# KiCad board bugg-panel-r3.kicad_pcb (continued)
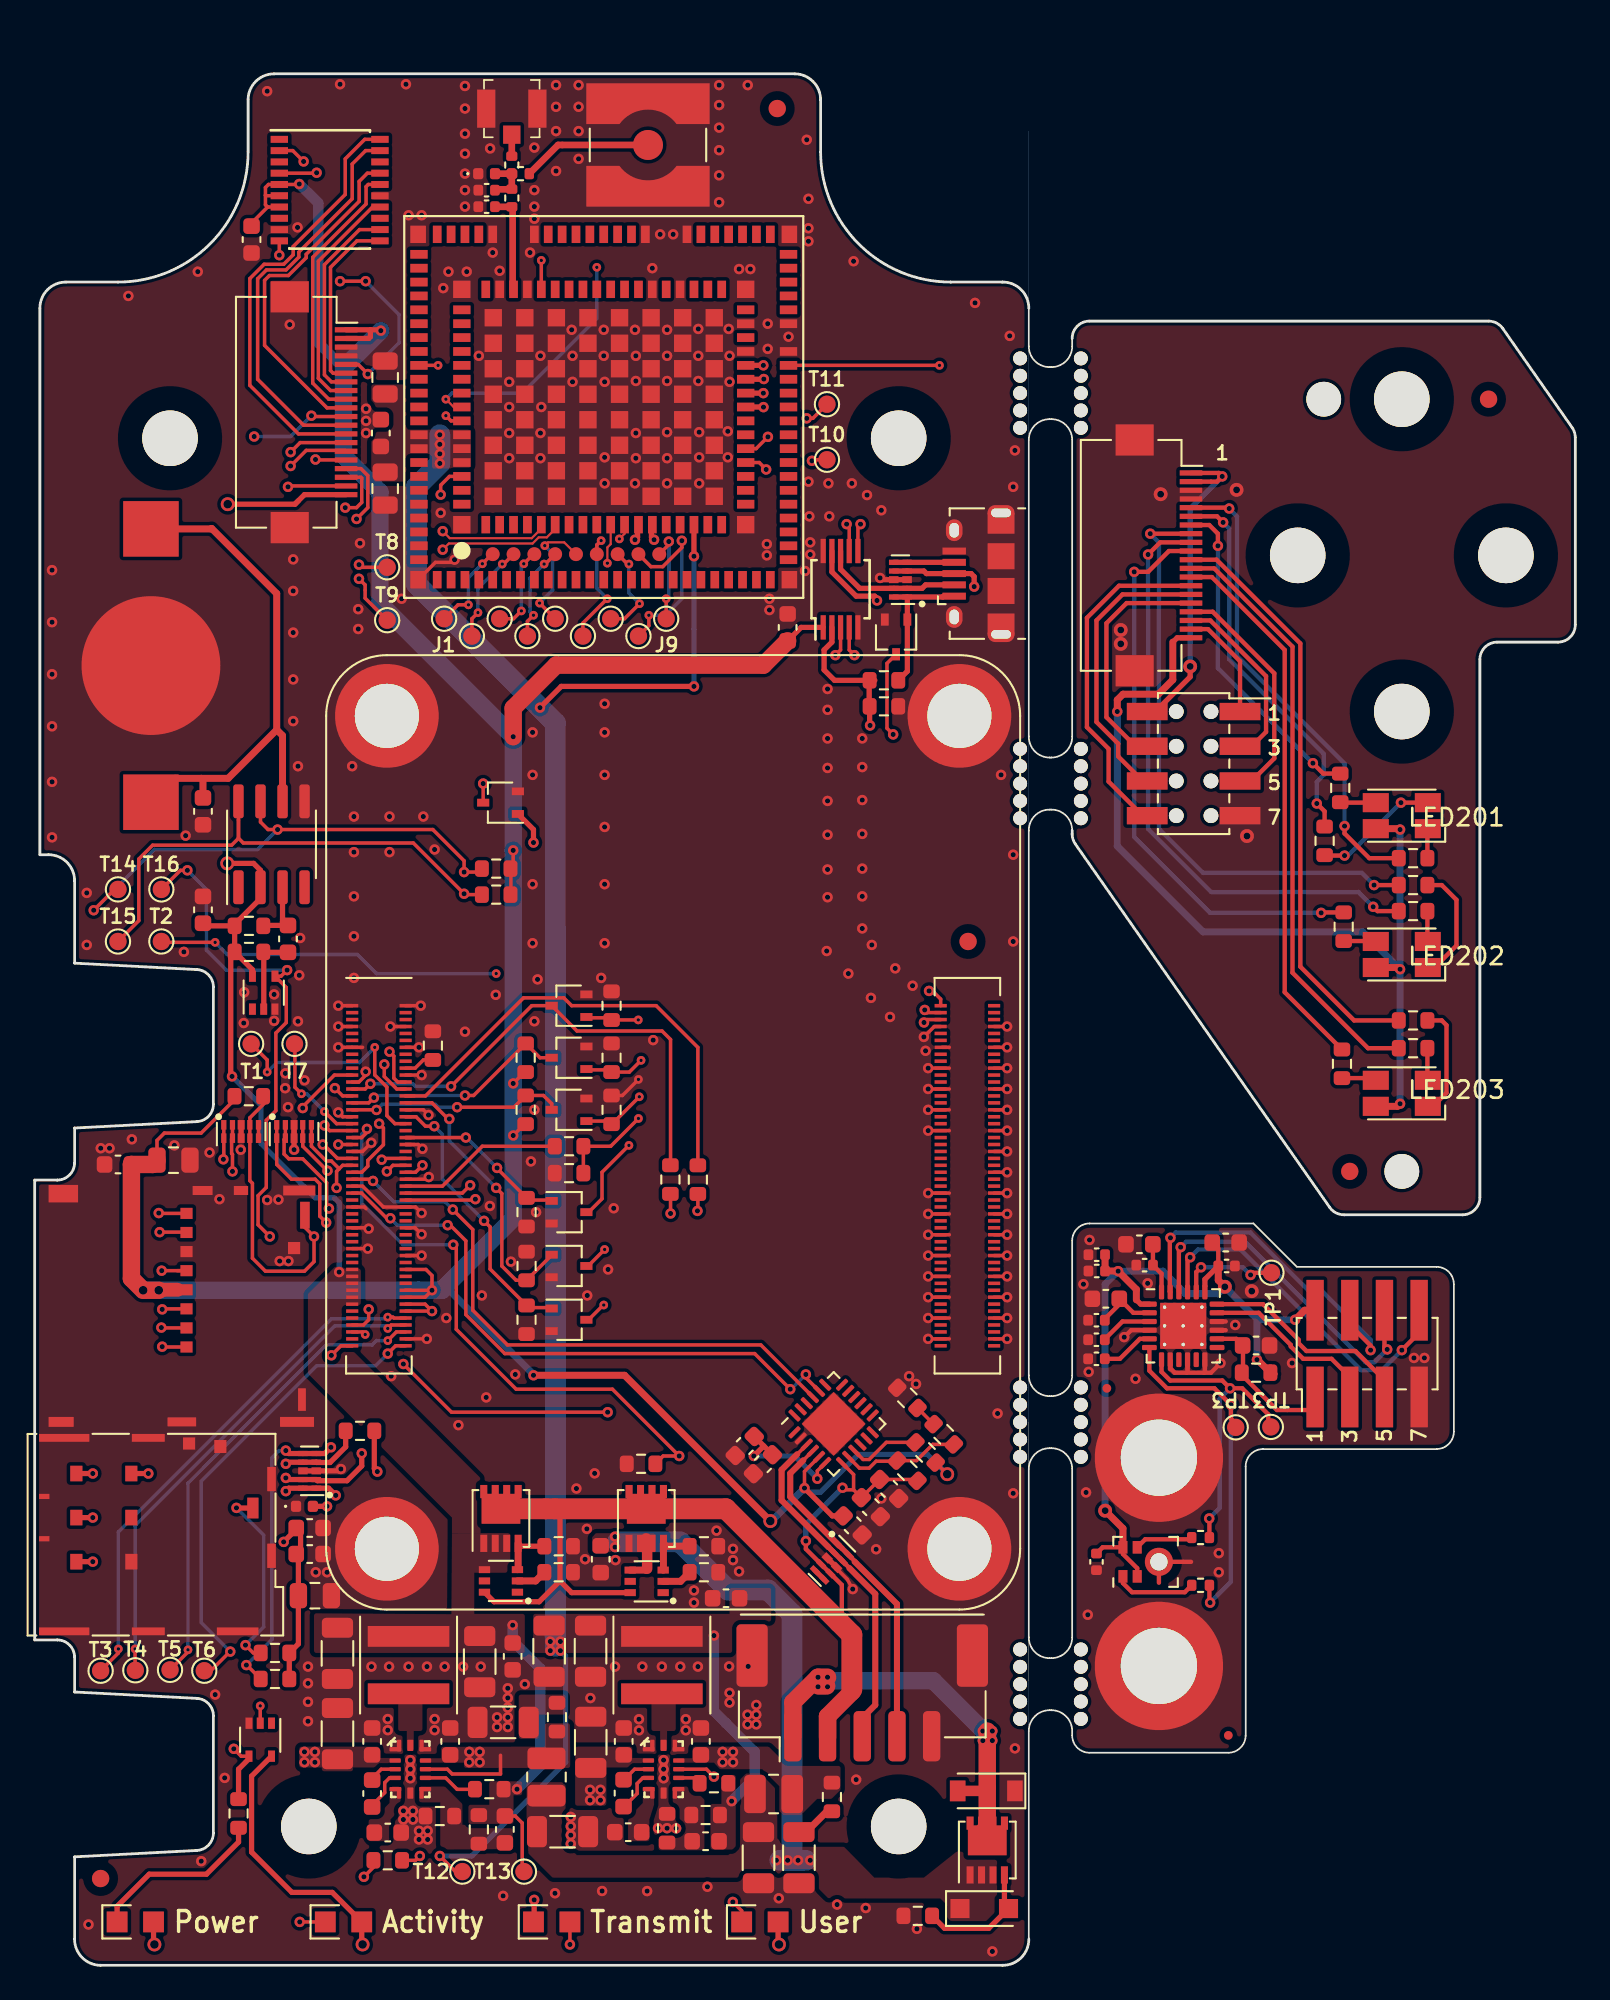
[diagram p0: board, top side]
## Routing (per net, layer and track width the routed paths; a pad name or vN(x,y) marks a point on that pad's centre or on a via; arc(x,y) is an arc through that point) (continued)
VBUS: length 59.8
  Top w0.2: 47.2,27.4 C40.1 48.7,28 C39.1 50.8,28 R25.1 ; 47.2,27.4 47.2,28.28 U12.7 ; 47.2,27.4 46.68,27.4 v1(46.56,27.52)
  Top w0.25: 46.37,19.77 46.52,19.92 46.52,21.92 U2.4 U2.4 44.45,23.99 v1(44.45,24.45)
  Top w0.3: 30.27,22.15 30.27,26.01 29.98,26.31 ; 30.27,22.15 29.08,20.95 26.48,20.95 U3.6 ; 30.27,22.15 30.95,21.48 U4.6
  Top w0.8: 29.45,26.31 29.43,26.28
  Top w1: 47.1,15.9 47.1,15.75 45.7,14.35 45.7,13.15
  Top w1.2: 47.1,15.9 47.1,19.04 39.84,26.31 Q2.5 Q1.5
  Bottom w0.3: v1(46.56,27.52) 44.45,25.41 v1(44.45,24.45)
/BCLK: length 85.2
  Top w0.2: J16.15 17.9,87.3 15.65,87.3 v1(14.75,86.4) ; v1(19.85,48.5) 20.1,48.25 20.1,47.29 19.2,46.39 19.2,46.05 18.85,45.7 Module1.49
  Top w0.25: U101.22 65.95,41.28 v1(66.05,41.38) ; v1(77.96,35.49) 77.8,35.65 J101.6 ; J202.15 62.7,79 61.2,77.5 61.2,71.65 62.45,70.4 62.45,69.67 63.87,68.25 J201.6
  In2.Cu w0.2: v1(19.85,48.5) 19.72,48.5 18.55,49.68 17.35,49.68 16.65,50.37 16.65,51.25 16.3,51.6 16.3,84.85 v1(14.75,86.4)
  Bottom w0.25: v1(77.96,35.49) 77.22,34.75 76.71,34.75 69.76,41.7 66.37,41.7 v1(66.05,41.38)
/BOOT_MODE: length 10.4
  Top w0.2: 21.88,47.7 Module1.40 v1(24.85,47.7) ; Q7.1 29.75,44.1 28.48,44.1 26.65,45.92 v1(26.65,45.95)
  Bottom w0.2: v1(26.65,45.95) 24.9,47.7 v1(24.85,47.7)
/FSYNC: length 76.6
  Top w0.2: v1(20.15,51.91) 20.15,51.22 20.87,50.5 Module1.26 ; J16.16 16.21,86.75 v1(16.18,86.78)
  Top w0.25: v1(77,35.45) 77,35.71 75.8,36.91 J101.4 ; J202.16 62.94,78.5 61.77,77.34 61.77,71.93 63.45,70.25 J201.4 ; U101.23 65.43,38.82 65.43,41.89 v1(65.46,41.92)
  In2.Cu w0.2: v1(16.18,86.78) 16.98,85.98 16.98,52.52 17.33,52.17 19.89,52.17 v1(20.15,51.91)
  Bottom w0.25: v1(77,35.45) 77,36.05 74.2,38.85 73.45,38.85 70.08,42.22 65.76,42.22 v1(65.46,41.92)
/GLOBAL_EN_o: length 39.5
  Top w0.2: v1(14.55,57.35) 14.2,57 U14.4 14.5,56.35 14.5,54.33 13.9,53.72 13.9,49.25 13.35,48.7 13.35,44.83 12.87,44.35 12.87,42.68 v1(13.55,42) ; v1(17.1,35.15) 17.65,35.7 Module1.99 17.75,35.7 ; v1(8.8,63.1) 8.4,63.1 T16.1
  In2.Cu w0.2: v1(17.1,35.15) 17.1,36.55 13.55,40.1 v1(13.55,42)
  Bottom w0.2: v1(14.55,57.35) 11.05,57.35 9.9,58.5 9.9,62 v1(8.8,63.1)
/LED1_B: length 19.1
  Top w0.25: R201.1 74.28,68.67 v1(73.67,69.28) ; J202.7 67.7,83 68.2,82.5 v1(68.2,81.8)
  Bottom w0.25: v1(68.2,81.8) 68.2,74.75 v1(73.67,69.28)
/LED1_G: length 22.3
  Top w0.25: v1(68.5,83.15) 68.15,83.5 J202.6 ; v1(73.9,66.95) 74.35,66.5 R204.1
  Bottom w0.25: v1(73.9,66.95) 73.9,68.2 74.3,68.6 74.3,69.81 68.85,75.26 68.85,82.8 v1(68.5,83.15)
/LED1_R: length 27.4
  Top w0.25: J202.5 68.8,84 v1(68.85,83.95) ; v1(75.5,65.65) 75.5,65.23 76.93,63.8 R207.1
  Bottom w0.25: v1(68.85,83.95) 69.3,83.5 69.3,75.45 75.5,69.25 v1(75.5,65.65)
/LED2_B: length 32.9
  Top w0.25: v1(63.37,80.3) 64.18,80.3 65.38,81.5 J202.10 ; v1(74.15,60.65) 74.17,60.67 75.45,60.67
  Bottom w0.25: v1(63.37,80.3) 63.37,65.03 67.75,60.65 v1(74.15,60.65)
/LED2_G: length 35
  Top w0.25: v1(64.17,81.3) 64.87,82 J202.9 ; R205.1 77.4,60.75 v1(77.15,61)
  Bottom w0.25: v1(64.17,81.3) 64.17,65.49 67.81,61.85 76.3,61.85 v1(77.15,61)
/LED2_R: length 34.7
  Top w0.25: R208.1 v1(77.2,62.25) ; v1(64.3,82.5) J202.8
  Bottom w0.25: v1(77.2,62.25) 76.5,62.95 67.35,62.95 64.8,65.5 64.8,82 v1(64.3,82.5)
/LED3_B: length 31.5
  Top w0.25: R203.1 72.05,56.08 72.05,75.8 67.85,80 J202.13
/LED3_G: length 34.4
  Top w0.25: J202.12 67.99,80.5 72.5,75.99 72.5,57.2 76.85,52.85 R206.1
/LED3_R: length 33.9
  Top w0.25: J202.11 68.12,81 72.95,76.17 72.95,57.55 76.05,54.45 R209.1
/LED driver, LED board connections/LED1_B: length 11.8
  Top w0.2: J16.7 17.1,91.25 16.7,91.65 16.7,98 18.73,100.03 U9.12
/LED driver, LED board connections/LED1_G: length 10.4
  Top w0.2: J16.6 17.2,91.75 17.05,91.9 17.05,97.85 18.58,99.38 U9.11
/LED driver, LED board connections/LED1_R: length 14.8
  Top w0.2: v1(17.6,97.05) v1(19.07,97.05) ; U9.10 v1(14.1,98.55) ; v1(19.2,91.7) 18.65,92.25 J16.5
  In2.Cu w0.2: v1(14.1,98.55) 15.6,97.05 v1(17.6,97.05)
  Bottom w0.2: v1(19.2,91.7) 21,93.5 21,95.12 v1(19.07,97.05)
/LED driver, LED board connections/LED2_B: length 19.9
  Top w0.2: J16.10 16.85,89.75 13.25,93.35 13.25,97.1 13.53,97.38 14.62,97.38 15.65,98.41 15.65,98.6 18.7,101.65 18.7,102.8 19.18,103.28 U9.17
/LED driver, LED board connections/LED2_G: length 15.8
  Top w0.2: U9.16 19.23,102.62 19.1,102.5 19.1,101.5 16.02,98.42 16.02,91.18 16.95,90.25 J16.9
/LED driver, LED board connections/LED2_R: length 13.5
  Top w0.2: J16.8 17.05,90.75 16.35,91.45 16.35,98.2 19.48,101.33 U9.14
/LED driver, LED board connections/LED3_B: length 25.2
  Top w0.2: U9.20 19.02,105.22 17.9,104.1 17.9,102.05 14.9,99.05 14.9,98.57 14.35,98.03 13.23,98.03 12.4,97.2 12.4,91.05 15.2,88.25 J16.13
/LED driver, LED board connections/LED3_G: length 23.4
  Top w0.2: J16.12 15.5,88.75 12.85,91.4 12.85,97.19 13.36,97.7 14.49,97.7 15.22,98.44 15.22,98.72 18.3,101.8 18.3,103.8 19.08,104.58 19.9,104.58
/Modem/RF_ANT: length 1.3
  Top w0.38: 27.5,104.25 27.5,105.44
  Top w0.4: 27.5,105.44 27.45,105.5
/Modem/RF_MAIN: length 5.7
  Top w0.38: 27.55,96.37 27.55,101.14 ; R20.2 26.54,101.34 C20.1
/Modem/RF_TEST: length 7.5
  Top w0.38: J11.1 30.16,104.9 R18.1
/Modem/UIM_CLK: length 79.5
  Top w0.3: v1(19.75,28.45) 19.58,28.62 19.58,30.8 ; 40.93,90.6 v1(42,90.6)
  In2.Cu w0.3: v1(42,90.6) 41.05,89.65 33.05,89.65 31.6,88.2 31.6,40.3 v1(19.75,28.45)
/Modem/UIM_CLK_R: length 17.9
  Top w0.3: v1(14.47,28.9) 14.57,28.99 U8.4 U8.4 16.25,28.98 17.02,28.98 17.93,29.88 R23.2 ; 2.39,28.34 3.35,28.34 v1(3.35,28.34)
  In2.Cu w0.3: v1(3.35,28.34) 4.31,27.38 9.63,27.38 11.15,28.9 v1(14.47,28.9)
/Modem/UIM_DATA: length 107.6
  Top w0.2: v1(12.2,17.3) 12.23,17.3 13.03,16.5
  Top w0.3: v1(42.03,91.41) 42.01,91.4 40.93,91.4 ; v1(14.47,29.66) 14.64,29.49 U8.5 U8.5 16.72,29.49 v1(17.08,29.85) ; 5.56,28.34 v1(6.55,28.34)
  In2.Cu w0.3: v1(42.03,91.41) 41.99,91.41 40.7,90.12 32.52,90.12 31.05,88.65 31.05,40.7 19,28.65 18.58,28.65 17.38,29.85 v1(17.08,29.85) ; v1(14.47,29.66) 11.06,29.66 9.74,28.34 v1(6.55,28.34)
  Bottom w0.2: v1(12.2,17.3) 13.68,18.77 13.68,29.25 14.09,29.66 v1(14.47,29.66)
/Modem/UIM_RESET_N: length 96.8
  Top w0.3: v1(18.85,29.5) 18.85,28.77 18,27.92 16.3,27.92 U8.2 U8.2 14.57,27.99 v1(14.47,28.09) ; v1(3.35,25.8) 3.35,25.8 2.39,25.8 ; 40.93,92.2 v1(42,92.2)
  In2.Cu w0.3: v1(18.85,29.5) 30.5,41.15 30.5,89.1 32,90.6 40.4,90.6 v1(42,92.2) ; v1(14.47,28.09) 11.24,28.09 8.95,25.8 v1(3.35,25.8)
/Modem/UIM_SIM_DET: length 21.5
  Top w0.2: Q8.3 v1(25.85,68.1) ; v1(23.4,84.75) 23.4,85.3 23.9,85.8 U7.64
  In2.Cu w0.2: v1(25.85,68.1) 25.85,74.85 26.75,75.75 26.75,78.45 25,80.2 25,83.15 v1(23.4,84.75)
/Modem/UIM_VCC: length 111.8
  Top w0.3: v1(42.01,89.79) 42,89.8 40.93,89.8 ; v1(17.35,27.08) 16.94,27.49 U8.1 U8.1 14.64,27.49 v1(14.47,27.32) ; 2.39,23.26 3.35,23.26 v1(3.35,23.26) ; C26.1 15.08,25.12 v1(14.35,24.4) ; 15.33,24.98 15.33,23.95 C28.1 15.2,23.57 C24.1 15.2,18.52 R21.2 R22.2
  In2.Cu w0.3: v1(14.47,27.32) 14.4,27.4 11.45,27.4 10.27,26.22 10.27,24.58 ; v1(17.35,27.08) 19.38,27.08 32.12,39.83 32.12,87.72 33.45,89.05 41.26,89.05 v1(42.01,89.79) ; 10.27,24.58 14.17,24.58 v1(14.35,24.4) ; 10.27,24.58 4.67,24.58 v1(3.35,23.26)
/MODEM_USB_DN: length 18.5
  Top w0.2: U15.6 47.45,82.9 v1(47.6,83.05)
  Top w0.3: 34.75,83.02 34.75,82.3 v1(34.6,82.15)
  In2.Cu w0.372: v1(34.6,82.15) 34.86,82.41 34.86,83.77 35.78,84.69 46.77,84.69 47.49,83.97 47.49,83.16 v1(47.6,83.05)
/MODEM_USB_DP: length 16.6
  Top w0.2: U15.7 46.95,82.9 v1(46.8,83.05)
  Top w0.3: 35.55,83.02 35.55,82.3 v1(35.7,82.15)
  In2.Cu w0.372: v1(35.7,82.15) 35.44,82.41 35.44,83.53 36.02,84.11 46.53,84.11 46.91,83.73 46.91,83.16 v1(46.8,83.05)
/nPWR_LED: length 94.9
  Top w0.2: J16.11 16,89.25 v1(15.95,89.3) ; v1(11.48,12.48) 11.9,12.05 U1.4
  Top w0.3: U1.4 12.35,11.9 11.75,11.3 R5.1
  In2.Cu w0.2: v1(11.48,12.48) 11.48,15.55 10.05,16.98 7.78,16.98 1.95,22.81 1.95,40.2 12.65,50.9 v1(12.65,88.1)
  Bottom w0.2: v1(15.95,89.3) 14.75,88.1 v1(12.65,88.1)
/nPWR_LED_BUF: length 41.3
  Top w0.2: U1.2 v3(13,14.95) ; v3(19.05,36.35) 18.9,36.5 Module1.95
  In2.Cu w0.2: v3(13,14.95) 13,15.27 6.9,21.38 4.3,21.38 2.6,23.07 2.6,29.18 8.05,34.62 17.32,34.62 v3(19.05,36.35)
/nRPIBOOT: length 81.6
  Top w0.2: v1(49.48,70.93) 49.13,71.29 49.13,75.03 Q4.3 ; v1(33.02,31.88) 24.02,31.88 v1(21.25,34.65) ; v1(19.25,37.8) 19.25,37.2 18.95,36.9 Module1.93
  In2.Cu w0.2: v1(19.25,37.8) 19.55,37.5 19.55,35.3 20.2,34.65 v1(21.25,34.65)
  In2.Cu w0.3: v1(33.02,31.88) 35.75,34.6 35.75,44.08 38.12,46.45 51.42,46.45 54,49.02 54,66.41 v1(49.48,70.93)
/Power and input connector/IN_VIN: length 23.3
  Top w0.6: D4.2 54.71,10.05 54.91,10.24
  Top w1: 54.91,13.49 54.91,7.91 ; v1(45.7,16.6) v1(45.15,16.6) 43.7,15.15 J10.1 ; 45.17,16.1 45.65,16.1
  Top w1.2: 54.8,7.7 54.81,7.69
  Bottom w1: 45.35,16.4 51.8,16.4 54.95,13.25
  vias: v1(45.15,16.05) v1(45.7,16.05) v1(54.65,13.5) v1(54.65,12.95) v1(55.2,13.5) v1(55.2,12.95)
/POWER_ON_N: length 16.4
  Top w0.2: v1(25.9,42.9) 26.25,42.55 26.25,40.12 R33.1 28.48,37.9 29.75,37.9 Q5.1 ; v1(23.03,48.36) 22.52,48.36 21.98,48.9 Module1.34 21.88,48.9
  Bottom w0.2: v1(23.03,48.36) 23.5,47.89 23.5,45.3 v1(25.9,42.9)
/RESET_IN_N: length 16.5
  Top w0.2: v1(23.9,48.77) 23.83,48.77 22.9,49.7 Module1.30 ; v1(26.6,44.8) 26.93,44.47 26.93,40.3 27.75,39.48 R37.1 29.8,40.92 Q6.1
  Bottom w0.2: v1(23.9,48.77) 23.9,47.5 v1(26.6,44.8)
/RTC/n_RTC_INT: length 3.8
  Top w0.3: 14.29,62.12 14.29,60.24 C36.2 13.2,59.92 R29.2
/RXD: length 34.6
  Top w0.2: U12.21 41.85,35.75 27.25,35.75 25.25,37.75 25.25,42.4 v1(24.1,43.55) ; 19.62,45.3 19.52,45.2 v1(19.5,45.2) 19.4,45.3 Module1.51
  Bottom w0.2: v1(24.1,43.55) 23.65,44 20.7,44 v1(19.5,45.2)
/SAFE_PWR_REMOVE: length 12.5
  Top w0.2: v1(19.7,49.29) 19.69,49.3 Module1.31 ; 28.17,50.12 28.17,50 27.62,49.45 v1(24.35,49.45) 24.38,49.48 ; Q10.3 29.8,49.65 29.32,50.12 R45.2
  Bottom w0.2: v1(19.7,49.29) 20.03,49.62 23.09,49.62 23.26,49.45 v1(24.35,49.45)
/SCL: length 127.1
  Top w0.2: 11.75,66 11.75,64.95 12.02,64.68 21.82,64.68 v1(24.75,61.75) 24.8,61.7 25.78,61.7 ; 11.75,66 U13.8 ; 11.75,66 11.75,64.94 11.35,64.55 6.8,64.55 6,63.75 6,60.2 T15.1 ; Module1.56 24.65,44.5 v1(25.1,44.95) ; v1(17.9,84) 18.55,84 18.85,84.3 18.85,85.7 18.8,85.75 J16.18 ; 14.1,104.58 14.88,104.58 v1(15.5,103.95)
  Top w0.25: U101.17 70.55,37.6 72.4,35.75 72.4,35.66 73.11,34.95 74.75,34.95 75.8,33.9 J101.3 ; 75.8,32.85 75.8,32.12 ; J201.3 70.15,70.25 70.98,71.08 70.98,74.29 67.76,77.5 J202.18
  In2.Cu w0.2: v1(25.1,44.95) 25.55,45.4 25.55,60.95 v1(24.75,61.75) 24.23,62.27 24.23,73.61 22.15,75.69 17.98,75.69 17.52,76.14 17.52,83.62 v1(17.9,84) 18.15,84.25 18.15,100.6 15.5,103.25 v1(15.5,103.95)
/SD_CLK: length 23.3
  Top w0.2: Module1.46 20.07,46.5 v1(20,46.43) ; 15.45,48.44 U10.4 15.45,47.2 16.86,45.79 v1(16.88,45.79) ; 7.3,40.05 v1(7.32,40.03) J14.5 8.22,40.03
  In2.Cu w0.2: v1(20,46.43) 17.51,46.43 v1(16.88,45.79) 16.22,45.13 10.13,45.13 8.1,43.1 8.1,40.81 v1(7.32,40.03) 7.34,40.05
/SD_CMD: length 22
  Top w0.2: Module1.47 17.75,46.1 17.55,45.9 ; 17.55,45.9 17.1,46.35 16.8,46.35 15.95,47.2 U10.5 15.95,48.44 ; 17.55,45.9 17.4,45.75 v1(17.4,44.8) ; J14.3 7.38,37.83 v1(7.35,37.8)
  In2.Cu w0.2: v1(7.35,37.8) 8.58,39.03 8.58,42.92 10.44,44.78 17.38,44.78 v1(17.4,44.8)
/SD_DAT0: length 18.9
  Top w0.2: J14.7 8.73,42.25 v1(7.2,42.25) ; v1(16.6,47.3) 16.65,47.3 17.45,46.5 Module1.45 ; U11.1 10.9,46.47 v1(10.87,46.45)
  In2.Cu w0.2: v1(16.6,47.3) 15.75,46.45 v1(10.87,46.45) 10.63,46.2 9.16,46.2 6.4,43.44 6.4,43.05 v1(7.2,42.25)
/SD_DAT1: length 17.1
  Top w0.2: U11.2 11.4,47.66 11.35,47.61 11.35,46.78 11.4,46.73 v1(11.4,45.75) ; v1(7.15,43.35) 7.17,43.33 J14.8 ; Module1.41 v1(17.5,47.3)
  In2.Cu w0.2: v1(7.15,43.35) 9.55,45.75 v1(11.4,45.75) 15.95,45.75 v1(17.5,47.3)
/SD_DAT2: length 38.1
  Top w0.2: v1(16.8,42.8) 16.43,43.17 16.43,45.03 16.16,45.3 14.8,45.3 13.95,46.15 U10.1 ; J14.1 7.37,35.63 v1(7.35,35.65) ; Module1.24 20.93,50.9 20.7,51.13 20.7,52.4 v1(20.45,52.65)
  In2.Cu w0.2: 16.85,43 16.8,42.95 v1(16.8,42.8) ; 16.85,43 12.92,43 9.6,39.68 9.6,37.9 v1(7.35,35.65) ; 16.85,43 18.29,43 20.83,45.53 20.83,46 20.53,46.3 20.53,49.63 21.2,50.3 21.2,51.9 v1(20.45,52.65)
/SD_DAT3: length 28.2
  Top w0.2: J14.2 7.32,36.73 v1(7.3,36.75) ; Module1.48 20.65,46.1 v1(20.3,45.75) ; U10.2 14.45,47.66 14.37,47.59 14.37,46.75 14.65,46.47 15.45,46.47 16.83,45.1 16.83,43.74 v1(16.96,43.61)
  In2.Cu w0.2: v1(20.3,45.75) 19.1,45.75 v1(16.96,43.61) 16.8,43.45 9.98,43.45 9.09,42.56 9.09,38.54 v1(7.3,36.75)
/SD_nDET: length 26.1
  Top w0.2: v1(16.1,42) 16.1,40.55 15.55,40 13.3,40 12.55,40.75 12.55,45.07 12.4,45.22 U11.4 12.4,48.84 13.34,49.78 13.34,50.24 ; v1(16.1,42) 16.17,42.07 16.2,42.07 ; v1(16.1,42) 15.58,42.52 15.58,43.23 ; v1(22.35,46.1) 21.95,45.7 Module1.50
  In2.Cu w0.2: v1(16.1,42) 17.9,42 22,46.1 v1(22.35,46.1)
/SDA: length 133.3
  Top w0.2: v1(18.55,83.35) 19.2,84 19.2,85.85 18.8,86.25 J16.17 ; 25.78,63.2 25.57,63 v1(24.75,63) 24.75,63.65 22.95,65.45 v1(14,65.45) 13.45,65.45 13.02,65.89 U13.7 ; v1(25.4,44.15) 25.35,44.1 Module1.58 ; v1(3.4,60.8) 4.6,62 T14.1 ; v1(16.25,103.3) 16.23,103.28 U9.4
  Top w0.25: U101.18 70.8,38.1 72.85,36.05 72.85,35.85 73.3,35.4 76.12,35.4 77.8,33.72 J101.5 ; J202.17 67.9,78 71.45,74.45 71.45,69.55 70.15,68.25 J201.5
  In2.Cu w0.2: v1(25.4,44.15) 26.01,44.76 26.01,61.74 v1(24.75,63) 25.05,63.3 25.05,73.55 22.41,76.19 18.23,76.19 17.95,76.48 17.95,82.31 18.55,82.91 v1(18.55,83.35) 18.55,101 v1(16.25,103.3)
  Bottom w0.2: v1(3.4,60.8) 6.9,64.3 12.85,64.3 v1(14,65.45)
/SDOUT: length 82.6
  Top w0.2: Module1.27 17.75,50.1 v1(17.3,50.55) ; v1(14.75,87.2) 15.3,87.75 J16.14
  Top w0.25: v1(66.6,40.8) 66.45,40.65 U101.21 ; J101.8 79.8,36.45 v1(78.8,35.45) ; J201.8 63.87,66.25 61.9,68.22 61.9,70.1 60.65,71.35 60.65,77.65 62.5,79.5 J202.14
  In2.Cu w0.2: v1(14.75,87.2) 16.65,85.3 16.65,51.8 17.3,51.15 v1(17.3,50.55)
  Bottom w0.25: v1(78.8,35.45) 77.65,34.3 76.45,34.3 69.5,41.25 67.05,41.25 v1(66.6,40.8)
/SHDNZ: length 57.8
  Top w0.2: J16.19 14.65,85.25 v1(14.6,85.2) ; Module1.37 17,48.1 v1(16.7,48.4)
  Top w0.25: J201.1 69.47,75.15 67.63,77 J202.19 ; 73.8,32.12 73.67,32 71.6,32 69.57,34.03 69.57,34.15 69.65,34.23 69.65,35.72 69.26,36.1 U101.14
  In2.Cu w0.2: v1(14.6,85.2) 15.9,83.9 15.9,51.4 16.23,51.07 16.23,48.87 v1(16.7,48.4)
/TX_ON: length 28.7
  Top w0.2: 36.65,46.1 36.65,53.35 36.16,53.84 31.26,53.84 Q9.3 28.65,55.3 v1(24,50.65) 24.12,50.77 ; Module1.25 19.05,50.5 v1(19.35,50.8)
  Bottom w0.2: v1(24,50.65) 21.95,50.65 21.8,50.8 v1(19.35,50.8)
/TXD: length 34.9
  Top w0.2: v1(43.55,33.2) 41.5,35.25 27.1,35.25 24.85,37.5 24.85,41.75 23.95,42.65 v1(23.8,42.65) ; v1(44.45,34.05) 44.45,33.86 U12.20 ; Module1.55 18.84,44.5 20.29,43.05 v1(20.5,43.05)
  Bottom w0.2: v1(23.8,42.65) 20.9,42.65 v1(20.5,43.05) ; v1(43.55,33.2) 43.6,33.2 v1(44.45,34.05)
/USB-OTG flashing interface/OTG_USB_DN: length 7.5
  Top w0.3: 52.38,79.55 51.35,79.55 51.15,79.35 U16.2 47.55,79.35 46.45,80.45 U15.8
/USB-OTG flashing interface/OTG_USB_DP: length 16.3
  Top w0.3: v1(54.15,79.45) 54.15,80.03 53.98,80.2 J15.3 ; U16.4 51.25,80.35 51.4,80.2 52.38,80.2 ; 48.54,78.77 48.42,78.9 47.35,78.9 45.95,80.3 U15.9
  In2.Cu w0.3: v1(54.15,79.45) 52.95,79.45 51.1,77.6 49.15,77.6 48.55,78.2 v1(48.55,78.65) 48.6,78.6
/USB-UART bridge/CP2102_VDD: length 7.6
  Top w0.2: v1(45.11,28.04) 45.11,28.49 U12.6
  Top w0.3: 42.02,29.93 C32.1 ; 42.02,29.93 v1(41.45,29.35) ; 42.02,29.93 41.48,30.48
  Bottom w0.3: v1(45.11,28.04) 43.8,29.35 v1(41.45,29.35)
/USB_DN: length 25.4
  Top w0.2: v1(47.25,75.5) 46.95,75.8 U15.4 ; Module1.103 51.46,54.9 v1(51.3,55.05)
  In2.Cu w0.372: v1(47.25,75.5) 46.99,75.24 46.99,58.97 ; 47,58.95 51.01,54.94 51.19,54.94 v1(51.3,55.05)
/USB_DP: length 26.3
  Top w0.2: U15.3 46.45,75.8 v1(46.15,75.5) ; Module1.105 51.43,54.5 v1(51.26,54.33)
  In2.Cu w0.372: 46.41,58.73 46.41,75.24 v1(46.15,75.5) ; 46.43,58.71 50.77,54.37 51.22,54.37 v1(51.26,54.33)
/USB_OTG_ID: length 26.4
  Top w0.2: v1(51.55,56.15) 51.75,56.15 52.22,55.68 Module1.101
  Top w0.3: U15.2 45.95,76.25 45.5,75.8 45.5,74.65 46.1,74.05 48.42,74.05 ; v1(48.15,71.45) 48.12,71.47 R32.1 48.1,72.58 48.1,74.03 R31.1
  In2.Cu w0.3: v1(51.55,56.15) 51.55,67.75 48.15,71.15 v1(48.15,71.45)
/USB_UART_DN: length 19.7
  Top w0.2: U12.4 44.85,29.65 44.3,29.1
  Top w0.25: U2.1 47.37,23.19
  Top w0.3: U2.1 U2.1
  Top w0.35: 46.37,24.18 43.55,27 43.55,28.35 44.3,29.1 ; 47.26,23.26 49.7,20.82 J10.4
/USB_UART_DP: length 20.1
  Top w0.125: 45.76,24.1 45.75,24.1
  Top w0.2: 43.95,29.45 44.5,30 U12.3 ; 47.09,22.77 47.09,22.76
  Top w0.25: U2.2 47.09,22.77
  Top w0.3: U2.2 U2.2 45.76,24.1
  Top w0.35: 46.96,22.89 48.45,21.4 48.45,15 47.7,14.25 J10.3 ; 43.95,29.45 43.05,28.55 43.05,26.8 45.75,24.1
/WAKE: length 9.5
  Top w0.2: R39.1 25.8,47.2 23.5,44.9 Module1.54
/WAKE_ON_WWAN: length 13.3
  Top w0.2: v1(19.55,50) 19.25,49.7 Module1.29 ; v1(24.8,50.12) 25.3,50.12 R46.2 29.12,52.3 Q11.3
  Bottom w0.2: v1(19.55,50) 19.68,50.12 v1(24.8,50.12)
Net-(BT1-Pad1): length 31.1
  Top w0.4: C34.1 9.7,68.3 9.6,68.4 ; BT1.1 10.18,82.78 10.2,82.8 13.95,79.05 13.95,71.2 ; 13.95,71.2 14.29,70.86 U13.6 ; 13.95,71.2 11.15,68.4 9.6,68.4 ; 9.6,68.4 8.07,68.4 BT1.1
Net-(C9-Pad1): length 1.7
  Top w0.2: 19.35,10.67 19.98,11.3 U5.3
Net-(C9-Pad2): length 2.5
  Top w0.2: 19.35,9.12 20.18,9.95 20.18,10.52 20.45,10.8 U5.4
Net-(C10-Pad1): length 2.5
  Top w0.2: U6.4 35.05,10.8 34.73,10.48 34.73,9.9 33.95,9.12
Net-(C10-Pad2): length 1.7
  Top w0.2: 33.95,10.67 34.58,11.3 U6.3
Net-(C19-Pad2): length 2.8
  Top w0.38: 27.5,102.34 26.54,102.34 ; R20.1 R19.2 ; D9.2 R18.2 ; 26.54,102.35 26.53,102.34
Net-(C36-Pad1): length 4.7
  Top w0.3: U14.2 13.2,55.1 13.2,58.37 R30.2 13.2,58.38 C36.1
Net-(C45-Pad1): length 2.4
  Top w0.4: R36.2 45.66,8.88 44.47,7.67 C45.1
Net-(C102-Pad2): length 3
  Top w0.25: C102.2 62.55,34.95 63.7,36.1 U101.5
Net-(C103-Pad2): length 3
  Top w0.25: C103.2 61.68,36.08 62.7,37.1 U101.3
Net-(C104-Pad2): length 3.6
  Top w0.25: U101.2 63.33,37.6 62.52,38.41 62.52,38.09 61.68,37.25
Net-(C108-Pad2): length 3
  Top w0.25: U101.24 64.95,39.86 64.45,40.35 64.45,41.55 C108.2
Net-(D1-Pad1): length 8.1
  Top w0.2: v1(15.28,2.5) D1.1 ; 19.52,6.05 19.52,5.65 v1(18.98,5.1)
  In2.Cu w0.2: v1(18.98,5.1) 18.27,4.4 15.95,4.4 15.28,3.73 v1(15.28,2.5)
Net-(D2-Pad1): length 10.3
  Top w0.3: D2.1 4.75,3.4 6.6,5.25 9.9,5.25 11.75,7.1 R5.2
Net-(D3-Pad1): length 45.6
  Top w0.2: 36.65,44.45 v1(36.65,43.33)
  Top w0.3: v1(28.79,3.77) 28.79,2.54 D3.1
  In2.Cu w0.3: v1(28.79,3.77) 31.6,6.58 31.6,8.8 31.15,9.25 31.15,25.88 36.65,31.38 v1(36.65,43.33)
Net-(D5-Pad2): length 7.2
  Top w0.3: Q3.4 55.9,3.5 D5.2 54.99,2.13 52.45,2.13 R11.1
Net-(D6-Pad2): length 65.6
  Top w0.2: 13.03,18 12.6,18 v1(12.15,18.45) 12.18,18.43
  Top w0.3: v1(11.63,26.36) 11.64,26.35 12.57,26.35 ; Q8.1 28.75,65.45 v1(28.75,64.7) ; D6.2 v1(16.85,26.45) 16.75,26.45
  In2.Cu w0.3: v1(11.63,26.36) 11.72,26.45 v1(16.85,26.45) 15.9,27.4 15.9,30.05 16.93,31.07 19.48,31.07 29.8,41.4 29.8,63.65 v1(28.75,64.7)
  Bottom w0.2: v1(12.15,18.45) 13.2,19.5 13.2,24.79 v1(11.63,26.36)
Net-(D7-Pad1): length 48.4
  Top w0.2: D7.1 40.75,3.14 v1(40.24,3.65) ; v1(38.2,43.48) 38.23,43.5 R34.2
  In2.Cu w0.3: v1(38.2,43.48) 38.2,31.75 34.1,27.65 34.1,6.42 36.88,3.65 v1(40.24,3.65)
Net-(J1-Pad1): length 5.3
  Top w0.2: v3(25,78.4) 24.4,78.4 J1.1 ; U7.236 26.36,81.32 v3(25.8,80.77)
  Bottom w0.2: v3(25,78.4) 25,79.96 v3(25.8,80.77)
Net-(J2-Pad1): length 5.8
  Top w0.2: J2.1 25.2,77.6 v3(25.55,77.95) ; U7.237 27.03,80.75 v3(26.95,80.75)
  Bottom w0.2: v3(26.95,80.75) 25.55,79.35 v3(25.55,77.95)
Net-(J3-Pad1): length 5
  Top w0.2: U7.238 28.74,81.32 v3(28.19,80.77) ; v3(28.05,78.05) 27.6,77.6 J3.1
  Bottom w0.2: v3(28.05,78.05) 28.05,80.63 v3(28.19,80.77)
Net-(J4-Pad1): length 5.6
  Top w0.2: J4.1 28.4,77.45 v3(28.75,77.8) ; U7.239 29.43,80.75 v3(29.36,80.75)
  Bottom w0.2: v3(28.75,77.8) 28.55,78 28.55,79.94 v3(29.36,80.75)
Net-(J5-Pad1): length 7.2
  Top w0.125: v3(29.4,81.81) 29.59,82 30.52,82 U7.240
  Top w0.2: J5.1 v3(29.1,78.5)
  Bottom w0.2: v3(29.4,81.81) 29.85,81.36 29.85,79.25 v3(29.1,78.5)
Net-(J6-Pad1): length 7.3
  Top w0.2: v3(33,78.75) 31.6,77.35 J6.1 ; v3(32.65,82.1) 32.4,81.85 U7.241
  Bottom w0.2: v3(33,78.75) 32.4,79.35 32.4,81.85 v3(32.65,82.1)
Net-(J7-Pad1): length 5.4
  Top w0.2: v3(34.25,80.75) 34.17,80.75 U7.242 ; v3(34.86,78.47) 34,77.6 J7.1
  Bottom w0.2: v3(34.86,78.47) 34.25,79.08 v3(34.25,80.75)
Net-(J8-Pad1): length 10.7
  Top w0.2: U7.243 35.52,80.6 36.2,80.6 37.3,81.7 v1(37.3,82.09) ; J8.1 35.4,77.2 v3(35.4,77.8)
  Bottom w0.2: v3(35.4,77.8) 36.35,77.8 37.3,78.75 v1(37.3,82.09)
Net-(J9-Pad1): length 7.3
  Top w0.2: J9.1 v3(36.4,78.75) ; v1(36.55,82.05) 36.55,81.87 U7.244
  Bottom w0.2: 36.55,80.2 v1(36.55,82.05) 36.55,78.9 v3(36.4,78.75)
Net-(J15-Pad1): length 7.9
  Top w0.3: 49.78,74.05 50.3,74.58 50.3,78.84 50.28,78.85 ; U16.1 50.28,78.85 ; 50.28,78.85 52.33,78.85 52.38,78.9
Net-(J15-Pad4): length 3.5
  Top w0.3: J15.4 U16.5
Net-(LED201-Pad1): length 1.7
  Top w0.25: R207.2 80.28,65.47 LED201.1
Net-(LED201-Pad3): length 2.1
  Top w0.25: 75.25,67.03 75.28,67 LED201.3
Net-(LED201-Pad4): length 7.2
  Top w0.25: v1(75.5,63.95) 74.38,63.95 R204.2 ; LED201.4 v1(78.75,67)
  Bottom w0.25: v1(78.75,67) 75.7,63.95 v1(75.5,63.95)
Net-(LED202-Pad1): length 6.8
  Top w0.25: R208.2 81.1,62.25 81.95,61.4 81.95,58.76 80.69,57.5 LED202.1
Net-(LED202-Pad3): length 1.9
  Top w0.25: R202.2 77.28,59.02 LED202.3
Net-(LED202-Pad4): length 1.8
  Top w0.25: R205.2 80.28,59.02 LED202.4
Net-(LED203-Pad1): length 6.5
  Top w0.25: R209.2 81.1,54.45 81.38,54.17 81.38,50.28 80.6,49.5 LED203.1
Net-(LED203-Pad3): length 2
  Top w0.25: R203.2 75.35,51.13 77.17,51.13 LED203.3
Net-(LED203-Pad4): length 1.9
  Top w0.25: R206.2 80.28,51.02 LED203.4
Net-(MIC101-Pad1): length 4.9
  Top w0.25: 62.73,22.58 MIC101.1 62.73,22.03 63.25,21.5 66.29,21.5 R101.1
Net-(MIC101-Pad4): length 3.4
  Top w0.25: R102.1 66.59,24.55 64.01,24.55 MIC101.4
Net-(Module1-Pad20): length 1.8
  Top w0.2: Module1.20 21.93,51.7 22.41,52.17 R3.1
Net-(Module1-Pad21): length 69
  Top w0.2: Module1.21 17.27,51.3 15.45,49.48 v1(15.45,49.4) ; v1(22.2,6.3) 21.95,6.05 R4.1
  In2.Cu w0.2: 10.35,47.85 15.12,47.85 15.3,48.02 15.3,49.25 v1(15.45,49.4) ; 10.35,47.85 10.4,47.85 ; 10.35,47.85 10.15,47.85 2.27,39.97 2.27,22.94 7.82,17.4 10.21,17.4 12.12,15.49 12.12,13.88 14.83,11.17 17.75,11.17 19.62,9.3 19.62,6.65 19.98,6.3 v1(22.2,6.3)
Net-(Module1-Pad28): length 27.7
  Top w0.2: R34.1 38.23,52.89 35.82,55.3 30.95,55.3 30.5,55.75 28.17,55.75 22.52,50.1 Module1.28 21.88,50.1
Net-(Module1-Pad35): length 6.7
  Top w0.2: v3(15.38,50.23) 15,50.6 15,53.08 T7.1 ; v3(16.7,49.2) 17.4,48.5 Module1.35
  Bottom w0.2: v3(15.38,50.23) 15.68,50.23 v3(16.7,49.2)
Net-(Module1-Pad36): length 14.3
  Top w0.2: v3(19.6,52.9) 19.6,51.31 20.3,50.61 20.3,48.97 20.77,48.5 Module1.36 ; v3(13.4,51.48) 13.4,52.17 T1.1
  Bottom w0.2: v3(19.6,52.9) 18.72,52.02 13.95,52.02 v3(13.4,51.48)
Net-(Module1-Pad92): length 30.1
  Top w0.2: v3(4.82,18.23) 4.82,18 T3.1 ; v3(20.35,37.35) 20.65,37.35 20.7,37.3 Module1.92
  Bottom w0.2: v3(4.82,18.23) 4.82,24.97 17.1,37.25 20.25,37.25 v3(20.35,37.35)
Net-(Module1-Pad94): length 28.8
  Top w0.2: v3(5.79,18.23) 5.79,17.01 T4.1 ; v3(20.35,36.7) 20.55,36.9 Module1.94
  Bottom w0.2: v3(5.79,18.23) 5.79,25.34 17.3,36.85 20.2,36.85 v3(20.35,36.7)
Net-(Module1-Pad96): length 27.3
  Top w0.2: v3(8.84,18.18) 8.84,18.06 T5.1 ; v3(20.35,36) 20.85,36.5 Module1.96
  Bottom w0.2: v3(8.84,18.18) 8.84,27.79 16.8,35.75 19.45,35.75 19.7,36 v3(20.35,36)
Net-(Module1-Pad100): length 27.5
  Top w0.2: T6.1 10.15,16.98 11.25,18.08 v1(11.27,18.08) ; Module1.100 20.8,35.7 v1(20.35,35.25)
  Bottom w0.2: v1(20.35,35.25) 19.65,34.55 16.25,34.55 9.6,27.9 9.6,19.76 v1(11.27,18.08)
Net-(Q1-Pad4): length 3.1
  Top w0.3: Q1.4 28.03,24.15 R9.1
  Top w0.4: Q1.4 27.87,22.84 U3.3
Net-(Q2-Pad4): length 3.1
  Top w0.4: U4.3 36.24,22.79 Q2.4 36.41,24.15 R10.1
Net-(R7-Pad1): length 1.8
  Top w0.4: R7.1 28.88,22.15 U3.2
Net-(R8-Pad1): length 1.7
  Top w0.4: U4.2 37.23,22.12 R8.1
Net-(R12-Pad2): length 2.8
  Top w0.2: U5.8 23.69,10.8 24.35,10.14 25.07,10.14
Net-(R13-Pad2): length 1
  Top w0.2: U6.8 38.12,10.8
Net-(R25-Pad2): length 6.9
  Top w0.2: U12.8 47.54,28.65 48.1,28.65 48.5,29.05 49.68,29.05 R25.2 50.83,29.09 51.76,30.02 R26.1
Net-(R26-Pad2): length 1.3
  Top w0.2: R26.2 R27.1
Net-(R28-Pad2): length 4.1
  Top w0.2: U12.9 47.75,29.15 48.1,29.15 49.09,30.14 R28.2
Net-(R101-Pad2): length 21.3
  Top w0.25: U101.6 64.25,34.26 65.26,33.25 68,33.25 v1(68.95,32.3) 68.95,31.5 69.45,31 ; v1(67.75,20.9) 67.71,20.94 R101.2
  Bottom w0.25: v1(68.95,32.3) 68.95,22.1 v1(67.75,20.9)
Net-(R102-Pad2): length 17.7
  Top w0.25: 71.1,31 71.1,31.75 69.6,33.25 v1(68.9,33.25) 68.45,33.7 65.45,33.7 64.95,34.2 U101.7 ; R102.2 67.71,25.74 v1(67.7,25.75)
  Bottom w0.25: v1(68.9,33.25) 68.3,32.65 68.3,26.35 v1(67.7,25.75)
Net-(T8-Pad1): length 13.6
  Top w0.125: U7.5 29.2,82.79 28.65,82.24 23.92,82.24 v1(23.52,82.65)
  Top w0.2: T8.1 18.84,80.56 v1(18.69,80.72)
  In2.Cu w0.2: v1(18.69,80.72) 20.62,82.65 v1(23.52,82.65)
Net-(T9-Pad1): length 15.8
  Top w0.125: U7.6 30,82.77 29.52,82.29 29.05,82.29 28.7,81.93 23.87,81.93 v1(23.52,81.58)
  Top w0.2: v1(18.69,79.9) 19.05,79.55 19.05,78.78 T9.1
  In2.Cu w0.2: v1(18.69,79.9) 19.61,79.9 21.28,81.58 v1(23.52,81.58)
Net-(T10-Pad1): length 5.1
  Top w0.2: T10.1 44.86,86.76 v1(44.8,86.7) ; v1(42.16,86.2) 41.76,86.6 U7.22
  In2.Cu w0.2: v1(42.16,86.2) 44.3,86.2 v1(44.8,86.7)
Net-(T11-Pad1): length 5.7
  Top w0.2: T11.1 44.85,89.15 v1(44.5,89.15) ; U7.23 41.58,87.4 v1(42.26,88.08)
  In2.Cu w0.2: v1(42.26,88.08) 43.33,89.15 v1(44.5,89.15)
Net-(TP101-Pad1): length 5.8
  Top w0.25: U101.20 66.95,39.95 v1(67.23,40.22) ; TP101.1 70.21,39.91 v1(70.08,39.78)
  Bottom w0.25: v1(67.23,40.22) 69.64,40.22 v1(70.08,39.78)
unconnected-(U2-Pad5): length 0.8
  Top w0.3: U2.5 U2.5
unconnected-(U11-Pad5): length 0.8
  Top w0.2: U11.5 12.9,48.44

## Copper pours and planes (outline as drawn; the poured copper is in the pictures)
+3V7 on Top: 42.45,21.75 42.45,18 28.73,18 28.73,20.25 40.05,20.25 40.05,21.75
+3V7 on Top: 40.41,6.86 40.22,6.67 38.95,6.67 38.95,9.3 39.58,9.3 39.58,10.97 40.41,10.97
+3V7 on Top: 21.5,88.5 25.15,88.5 25.15,86.25 21.5,86.25 21.5,85.5 19.4,85.5 19.4,91.1 21.5,91.1
+5V on Top: 18.8,37.95 18,37.95 17.85,37.8 17.85,35.9 18.1,35.65 25.7,28.08 25.7,24.1 24.05,24.1 24.05,25.8 15.75,34.1 15.75,38.7 17.3,40.25 18.8,40.25
+5V on Top: 27.6,9.8 27.6,8.15 25,8.15 25,9.25 26.2,9.25 26.2,10.6 28.1,10.6 28.1,9.8
+5V on Top: 28.25,18 16.1,18 16.1,20.28 24.02,20.23 24.05,24.9 25.08,24.91 27.47,24.91 27.47,22.62 25.34,22.62 25.34,20.25 28.25,20.25
/Power and input connector/Vin on Top: 30.48,7.12 31.25,6.35 39.98,6.35 40.66,7.03 40.66,10.71 41.02,11.07 42.53,11.07 42.8,10.8 42.8,7.32 43.29,6.83 46.65,6.83 48.4,5.05 51.25,5.05 53.13,6.55 55.47,6.55 55.47,2.95 55.07,2.55 52.8,2.55 52.6,2.75 52.6,3.45 52.2,3.85 45.75,3.85 44.55,5.05 29.85,5.05 28.35,6.55 28.35,10.55 30.48,10.55
/Power and input connector/Vin on Top: 35.8,23.8 32.12,23.8 32.12,24.9 35.8,24.9
/Power and input connector/Vin on Top: 30.6,6.6 28.4,6.6 28.4,10.45 30.6,10.45
/Power and input connector/VIN_DCDC_3V7 on Top: 34.45,11.95 35.7,11.95 35.7,11.65 34.45,11.65 34.45,11.4 32.95,11.4 32.95,9.2 31.15,9.2 31.15,12.6 34.45,12.6
/Power and input connector/VIN_DCDC_3V7 on Top: 46.45,11.49 46.45,10.11 45.93,9.59 45.1,9.59 44.16,8.65 43.16,8.65 42.92,8.89 42.92,10.32 41.94,11.3 39.5,11.3 39.15,11.68 36.96,11.68 36.96,11.93 37.92,11.93 37.92,12.6 42.31,12.6 43.42,11.49
/Power and input connector/VIN_DCDC_3V7 on Bottom: 40.65,11.3 33.11,11.3 33.11,9.21 31.49,9.21 31.49,12.7 34.85,12.7 34.85,13.35 37.65,13.35 37.65,12.7 40.65,12.7
/Power and input connector/VIN_DCDC_5 on Top: 30.86,11.37 24.74,11.37 24.74,11.68 22.2,11.68 22.2,11.93 23.42,11.93 23.42,12.59 29.4,12.6 29.4,13.95 30.85,13.95 30.86,12.59
/Power and input connector/VIN_DCDC_5 on Top: 19.85,11.95 21.1,11.95 21.1,11.65 19.85,11.65 19.85,11.4 18.35,11.4 18.35,11.18 16.55,11.18 16.55,11.4 15.25,11.4 15.25,12.6 19.85,12.6
/Power and input connector/VIN_DCDC_5 on Bottom: 26.05,11.3 15.15,11.3 15.15,12.7 20.25,12.7 20.25,13.35 23.05,13.35 23.05,12.7 26.05,12.7
GND on Top, Bottom, In1.Cu, In2.Cu: 90.94,110.68 91.24,-1.82 -1.85,-1.9 -1.85,110.6
/Power and input connector/SW_3V7 on Top: 36.95,13.5 36.45,13.5 36.45,12.3 36.05,12.3 36.05,13.5 35.55,13.5 35.55,15.7 36.95,15.7
/Power and input connector/SW_5V2 on Top: 22.35,13.5 21.85,13.5 21.85,12.3 21.45,12.3 21.45,13.5 20.95,13.5 20.95,15.7 22.35,15.7
Net-(C7-Pad2) on Top: 21.09,8.99 20.51,8.41 20.55,7.15 19.25,7.15 19.25,8.5 19.6,8.5 20.45,9.35 20.45,10.3 21.1,10.3
Net-(C8-Pad2) on Top: 35.7,9.25 35.43,8.4 35.43,7.15 34.2,7.15 34.2,8.5 35.05,9.35 35.05,10.3 35.7,10.3
Net-(C11-Pad2) on Top: 24.65,8.1 27.55,8.1 27.55,6.7 23.38,6.67 23.38,9.39 22.15,9.39 22.15,10.3 23.65,10.3 24.65,9.3
Net-(C12-Pad2) on Top: 38.6,6.63 35.96,6.63 35.96,7.55 36.77,7.55 36.77,10.3 37.83,10.3 38.6,9.55
Net-(C44-Pad1) on Top: 30.6,14.45 29.05,14.45 29.05,13.05 27.9,13.05 27.9,15.6 30.6,15.6

## Text on the board
F.Mask: bugg-mic-r3 | bugg-led-r3 / Monad 2021 | bugg-main-r3 / Monad 2021
F.Silkscreen: J1 | J9 | 1 | 3 | 5 | 7 | TP1 | TP3 | Power | Activity | Transmit | User
User.3: No mouse bites here
